# KiCad board rps01.kicad_pcb (continued)
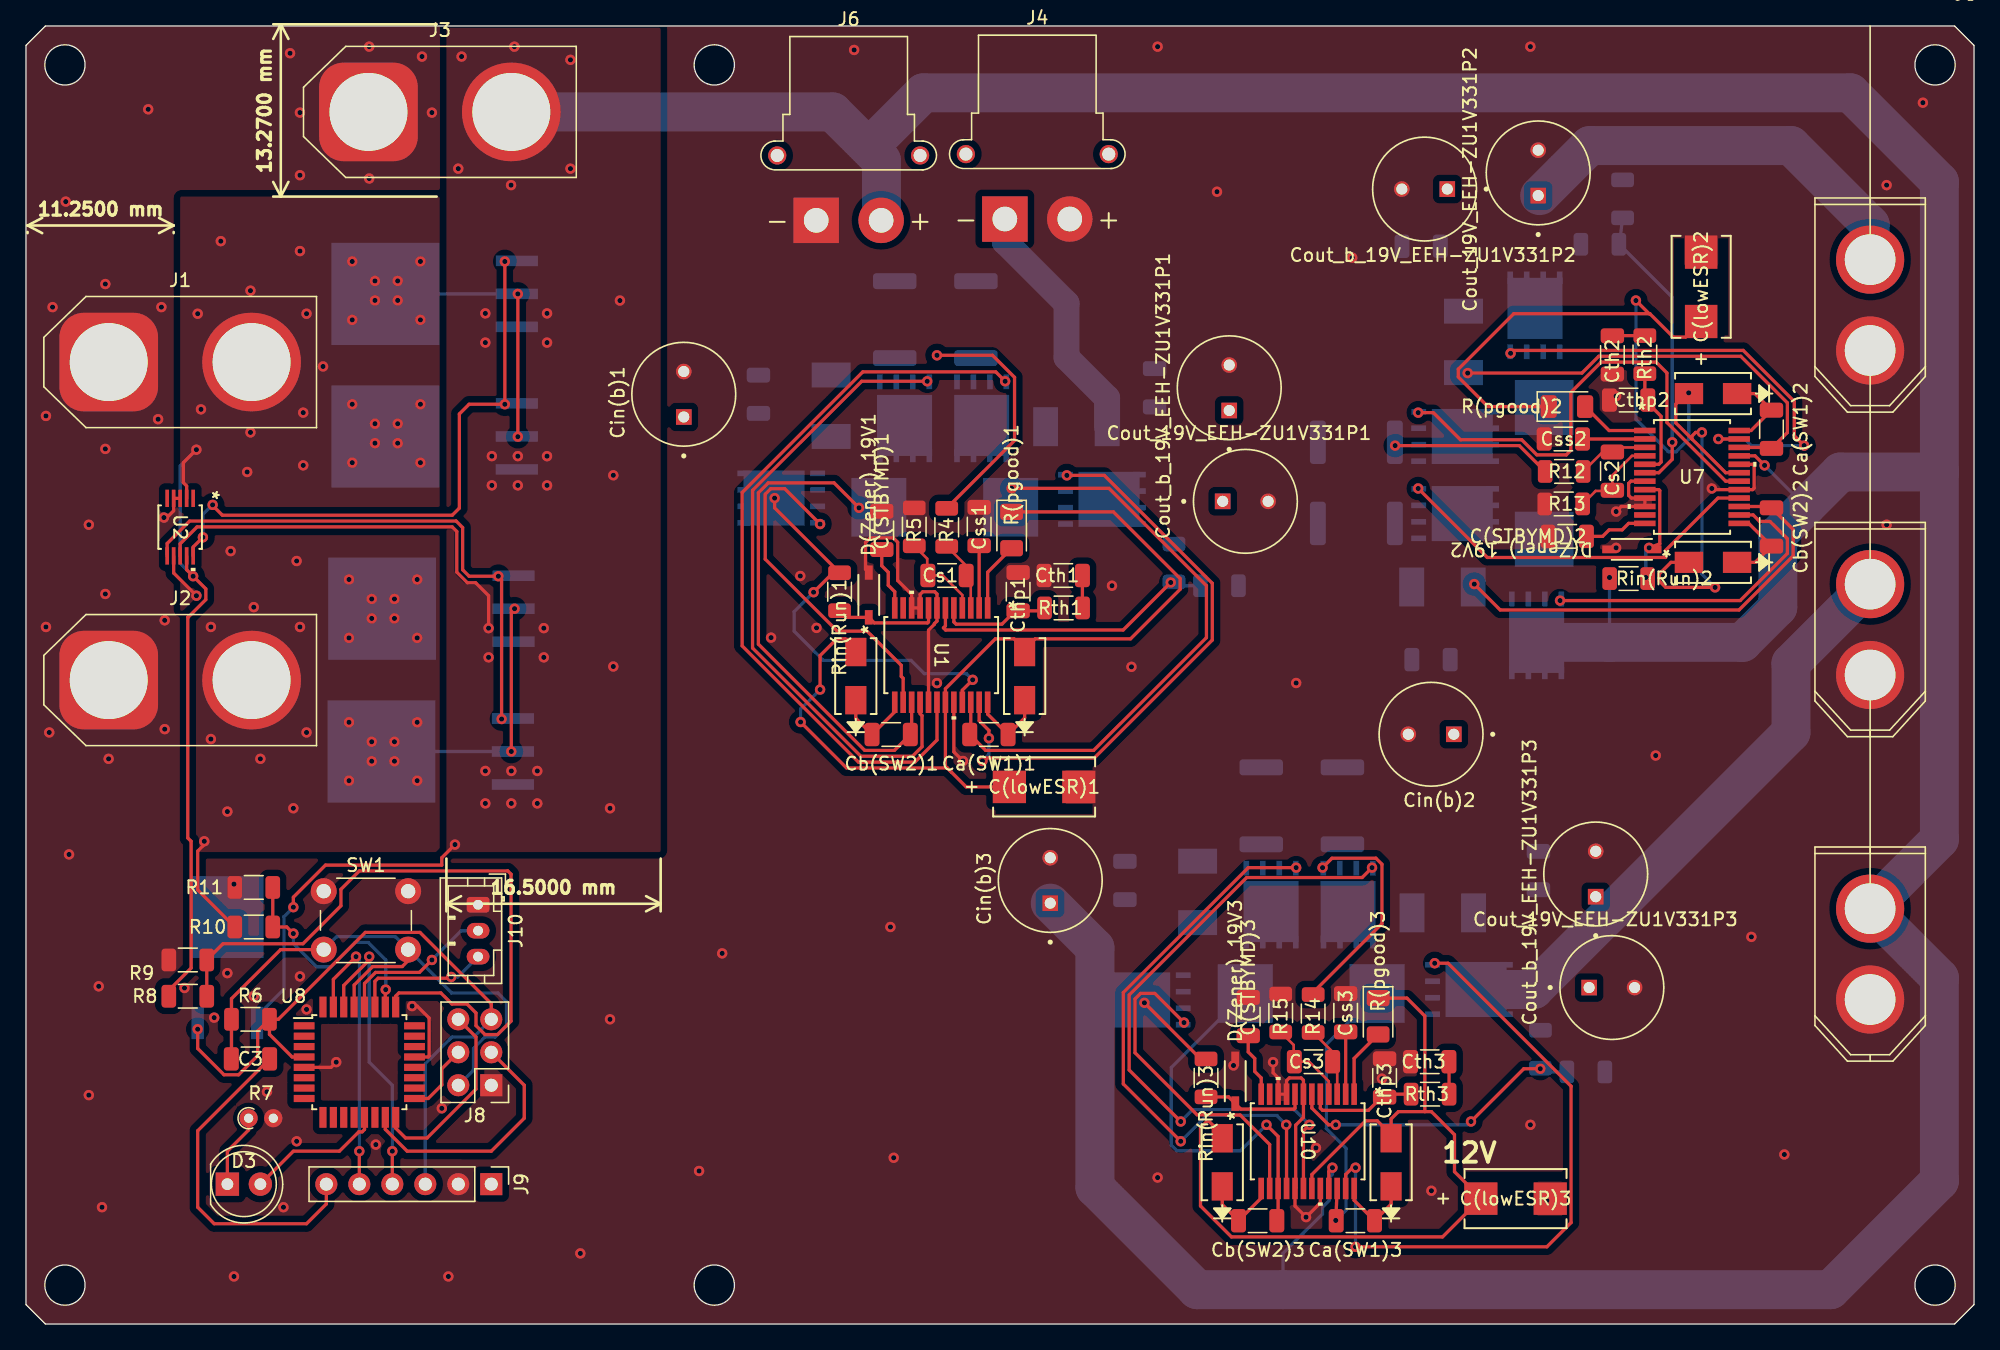
[diagram p0: board, top side]
## Nets
+5V: J8.5 J9.3 R6.2 U8.4 U9.2
/Load Sharing/V1: J1.2 R8.1 U2.2 U2.9 U3.2 U3.4 U6.2 U6.4
/Load Sharing/V2: J2.2 R10.1 U2.7 U4.2 U4.4 U5.2 U5.4
GND: C(lowESR)1.2 C(lowESR)2.2 C(lowESR)3.2 C(STBYMD)1.2 C(STBYMD)2.2 C(STBYMD)3.2 Cc(out)1.2 Cc(out)2.2 Cc(out)3.2 Cin(b)1.2 Cin(b)2.2 Cin(b)3.2 Cin(c)1.2 Cin(c)2.2 Cin(c)3.2 Cout_19V_EEH-ZU1V331P1.2 Cout_19V_EEH-ZU1V331P2.2 Cout_19V_EEH-ZU1V331P3.2 Cout_b_19V_EEH-ZU1V331P1.2 Cout_b_19V_EEH-ZU1V331P2.2 Cout_b_19V_EEH-ZU1V331P3.2 Css1.1 Css2.1 Css3.1 Cth1.2 Cth2.2 Cth3.2 Cthp1.2 Cthp2.2 Cthp3.2 D(Zener)_19V1.2 D(Zener)_19V2.2 D(Zener)_19V3.2 J1.1 J2.1 J3.1 J4.2 J5.1 J5.3 J5.5 J6.1 J8.1 J9.2 J10.1 R5.2 R7.2 R9.2 R11.2 R13.2 R15.2 Rb1.2 Rb2.2 Rb3.2 Rs1.2 Rs2.2 Rs3.2 Rsen1.2 Rsen2.2 Rsen3.2 SW1.1 U1.7 U1.9 U1.10 U1.17 U1.20 U2.3 U2.4 U7.7 U7.9 U7.10 U7.17 U7.20 U8.5 U8.21 U9.3 U10.7 U10.9 U10.10 U10.17 U10.20
+BATT: Cin(b)1.1 Cin(b)2.1 Cin(b)3.1 Cin(c)1.1 Cin(c)2.1 Cin(c)3.1 J3.2 J5.6 J6.2 QA(1)_19V_2.5 QA(1)_19V_2.6 QA(1)_19V_2.7 QA(1)_19V_2.8 QA(1)_19V_3.5 QA(1)_19V_3.6 QA(1)_19V_3.7 QA(1)_19V_3.8 QA(1)_19V_4.5 QA(1)_19V_4.6 QA(1)_19V_4.7 QA(1)_19V_4.8 Rin(Run)1.1 Rin(Run)2.1 Rin(Run)3.1 U1.21 U2.8 U3.3 U4.3 U5.3 U6.3 U7.21 U9.1 U10.21
/5V Buck/BG1: QC(4)_19V_2.4 U7.18
/5V Buck/BG2: QB(2)_19V_2.4 U7.16
/5V Buck/BOOST1: Ca(SW1)2.1 D4_19V2.1 U7.24
/5V Buck/BOOST2: Cb(SW2)2.2 D5_19V2.1 U7.13
/5V Buck/INTVCC: C(lowESR)2.1 D4_19V2.2 D5_19V2.2 R(pgood)2.1 U7.19
/5V Buck/ITH: Cthp2.1 Rth2.2 U7.5
/5V Buck/PGOOD: R(pgood)2.2 U7.1
/5V Buck/PLLIN: U7.11
/5V Buck/RSENSE: D1(2)_19V2.2 QB(2)_19V_2.1 QB(2)_19V_2.2 QB(2)_19V_2.3 QC(4)_19V_2.1 QC(4)_19V_2.2 QC(4)_19V_2.3 R12.1 Rs2.1 Rsen2.1
/5V Buck/RUN: D(Zener)_19V2.1 Rin(Run)2.2 U7.8
/5V Buck/SENSE+: Cs2.2 R12.2 U7.3
/5V Buck/SENSE-: Cs2.1 R13.1 U7.4
/5V Buck/SS: Css2.2 U7.2
/5V Buck/STBYMD: C(STBYMD)2.1 U7.12
/5V Buck/SW1: Ca(SW1)2.2 D2(1)_19V2.2 L1_19V2.2 QC(4)_19V_2.5 QC(4)_19V_2.6 QC(4)_19V_2.7 QC(4)_19V_2.8 QD(3)_19V_4.1 QD(3)_19V_4.2 QD(3)_19V_4.3 U7.22
/5V Buck/SW2: Cb(SW2)2.1 D1(2)_19V2.1 L1_19V2.1 QA(1)_19V_3.1 QA(1)_19V_3.2 QA(1)_19V_3.3 QB(2)_19V_2.5 QB(2)_19V_2.6 QB(2)_19V_2.7 QB(2)_19V_2.8 U7.15
/5V Buck/TG1: QD(3)_19V_4.4 U7.23
/5V Buck/TG2: QA(1)_19V_3.4 U7.14
/5V Buck/VOSENSE: Rb2.1 Rt2.2 U7.6
/5V Buck/VOUT: Cc(out)2.1 Cout_19V_EEH-ZU1V331P2.1 Cout_b_19V_EEH-ZU1V331P2.1 D2(1)_19V2.1 J5.2 QD(3)_19V_4.5 QD(3)_19V_4.6 QD(3)_19V_4.7 QD(3)_19V_4.8 Rt2.1
/12V Buck Boost/BG1: QC(4)_19V_3.4 U10.18
/12V Buck Boost/BG2: QB(2)_19V_3.4 U10.16
/12V Buck Boost/BOOST1: Ca(SW1)3.1 D4_19V3.1 U10.24
/12V Buck Boost/BOOST2: Cb(SW2)3.2 D5_19V3.1 U10.13
/12V Buck Boost/INTVCC: C(lowESR)3.1 D4_19V3.2 D5_19V3.2 R(pgood)3.1 U10.19
/12V Buck Boost/ITH: Cthp3.1 Rth3.2 U10.5
/12V Buck Boost/PGOOD: R(pgood)3.2 U10.1
/12V Buck Boost/PLLIN: U10.11
/12V Buck Boost/RSENSE: D1(2)_19V3.2 QB(2)_19V_3.1 QB(2)_19V_3.2 QB(2)_19V_3.3 QC(4)_19V_3.1 QC(4)_19V_3.2 QC(4)_19V_3.3 R14.1 Rs3.1 Rsen3.1
/12V Buck Boost/RUN: D(Zener)_19V3.1 Rin(Run)3.2 U10.8
/12V Buck Boost/SENSE+: Cs3.2 R14.2 U10.3
/12V Buck Boost/SENSE-: Cs3.1 R15.1 U10.4
/12V Buck Boost/SS: Css3.2 U10.2
/12V Buck Boost/STBYMD: C(STBYMD)3.1 U10.12
/12V Buck Boost/SW1: Ca(SW1)3.2 D2(1)_19V3.2 L1_19V3.2 QC(4)_19V_3.5 QC(4)_19V_3.6 QC(4)_19V_3.7 QC(4)_19V_3.8 QD(3)_19V_5.1 QD(3)_19V_5.2 QD(3)_19V_5.3 U10.22
/12V Buck Boost/SW2: Cb(SW2)3.1 D1(2)_19V3.1 L1_19V3.1 QA(1)_19V_4.1 QA(1)_19V_4.2 QA(1)_19V_4.3 QB(2)_19V_3.5 QB(2)_19V_3.6 QB(2)_19V_3.7 QB(2)_19V_3.8 U10.15
/12V Buck Boost/TG1: QD(3)_19V_5.4 U10.23
/12V Buck Boost/TG2: QA(1)_19V_4.4 U10.14
/12V Buck Boost/VOSENSE: Rb3.1 Rt3.2 U10.6
/12V Buck Boost/VOUT: Cc(out)3.1 Cout_19V_EEH-ZU1V331P3.1 Cout_b_19V_EEH-ZU1V331P3.1 D2(1)_19V3.1 J5.4 QD(3)_19V_5.5 QD(3)_19V_5.6 QD(3)_19V_5.7 QD(3)_19V_5.8 Rt3.1
/19V Boost/BG1: QC(4)_19V_1.4 U1.18
/19V Boost/BG2: QB(2)_19V_1.4 U1.16
/19V Boost/BOOST1: Ca(SW1)1.1 D4_19V1.1 U1.24
/19V Boost/BOOST2: Cb(SW2)1.2 D5_19V1.1 U1.13
/19V Boost/INTVCC: C(lowESR)1.1 D4_19V1.2 D5_19V1.2 R(pgood)1.1 U1.19
/19V Boost/ITH: Cthp1.1 Rth1.2 U1.5
/19V Boost/PGOOD: R(pgood)1.2 U1.1
/19V Boost/Rsense: D1(2)_19V1.2 QB(2)_19V_1.1 QB(2)_19V_1.2 QB(2)_19V_1.3 QC(4)_19V_1.1 QC(4)_19V_1.2 QC(4)_19V_1.3 R4.1 Rs1.1 Rsen1.1
/19V Boost/Run: D(Zener)_19V1.1 Rin(Run)1.2 U1.8
/19V Boost/SENSE+: Cs1.2 R4.2 U1.3
/19V Boost/SENSE-: Cs1.1 R5.1 U1.4
/19V Boost/SS: Css1.2 U1.2
/19V Boost/STBYMD: C(STBYMD)1.1 U1.12
/19V Boost/SW1: Ca(SW1)1.2 D2(1)_19V1.2 L1_19V1.2 QC(4)_19V_1.5 QC(4)_19V_1.6 QC(4)_19V_1.7 QC(4)_19V_1.8 QD(3)_19V_3.1 QD(3)_19V_3.2 QD(3)_19V_3.3 U1.22
/19V Boost/SW2: Cb(SW2)1.1 D1(2)_19V1.1 L1_19V1.1 QA(1)_19V_2.1 QA(1)_19V_2.2 QA(1)_19V_2.3 QB(2)_19V_1.5 QB(2)_19V_1.6 QB(2)_19V_1.7 QB(2)_19V_1.8 U1.15
/19V Boost/TG1: QD(3)_19V_3.4 U1.23
/19V Boost/TG2: QA(1)_19V_2.4 U1.14
/19V Boost/VOSENSE: Rb1.1 Rt1.2 U1.6
/19V Boost/Vout: Cc(out)1.1 Cout_19V_EEH-ZU1V331P1.1 Cout_b_19V_EEH-ZU1V331P1.1 D2(1)_19V1.1 J4.1 QD(3)_19V_3.5 QD(3)_19V_3.6 QD(3)_19V_3.7 QD(3)_19V_3.8 Rt1.1
/Load Sharing/G1: U2.10 U3.1 U6.1
/Load Sharing/G2: U2.6 U4.1 U5.1
/Microcontroller/DTR: C3.2 J9.6
/Microcontroller/MISO: J8.6 U8.16
/Microcontroller/MOSI: J8.3 U8.15
/Microcontroller/RESET: C3.1 J8.2 R6.1 SW1.2 U8.29
/Microcontroller/RX: J9.4 U8.30
/Microcontroller/SCK: J8.4 U8.17
/Microcontroller/SCL: J10.3 U8.27
/Microcontroller/SDA: J10.2 U8.28
/Microcontroller/TX: J9.5 U8.31
/Microcontroller/Voltmeter_1: R8.2 R9.1 U8.25
/Microcontroller/Voltmeter_2: R10.2 R11.1 U8.26
Net-(Cth1-Pad1): Cth1.1 Rth1.1
Net-(Cth2-Pad1): Cth2.1 Rth2.1
Net-(Cth3-Pad1): Cth3.1 Rth3.1
Net-(D3-A): D3.2 U8.13
Net-(D3-K): D3.1 R7.1

Pads without a net: J9 1; U1 11; U2 1 5; U8 1 2 3 6 7 8 9 10 11 12 14 18 19 20 22 23 24 32

## Via types
v1: diameter 0.8, hole 0.4, Top to Bottom, 240 vias

## Routing (per net, layer and track width the routed paths; a pad name or vN(x,y) marks a point on that pad's centre or on a via; arc(x,y) is an arc through that point)
+5V: length 54.4
  Top w0.25: J8.5 35.83,24.68 30.34,30.17 26.13,30.17 19.43,23.48 R6.2 ; R6.2 18.75,22.32 20.49,20.57 U8.4 ; R6.2 17.84,22.57 17.84,20.67 16.37,19.2 15.25,19.2 13.22,21.23 v1(13.22,22.71)
  Bottom w0.25: J9.3 30.75,20.06 32.8,22.11 34.46,22.11 J8.5
/Load Sharing/V1: length 71.6
  Top w0.25: U2.9 12.37,58.11 v1(12.87,57.61) 13.85,56.63 13.85,55.81 12.5,54.46 12.46,54.46 12.46,37.45 12.71,37.19 12.71,27.42 11,25.71 ; v1(13.12,67.36) 12.12,66.36 12.12,64.81 12.37,64.56 U2.2 ; v1(37.87,79.36) v1(37.87,68.36)
  Bottom w0.25: v1(13.12,67.36) 11.87,66.11 11.87,58.61 v1(12.87,57.61) ; v1(37.87,79.36) U3.4
  vias: v1(13.22,77.83) v1(13.48,70.47) v1(15,83.42) v1(17.03,65.64) v1(17.29,79.61) v1(17.29,68.69) v1(21.1,82.66) v1(21.35,70.21) v1(21.35,66.15) v1(21.6,77.83) v1(22.87,73.77) v1(25.12,81.86) v1(25.12,77.36) v1(25.12,70.86) v1(25.12,66.36) v1(26.87,80.36) v1(26.87,78.86) v1(26.87,69.36) v1(26.87,67.86) v1(28.62,80.36) v1(28.62,78.86) v1(28.62,69.36) v1(28.62,67.86) v1(30.37,81.86) v1(30.37,77.36) v1(30.37,70.86) v1(30.37,66.36)
/Load Sharing/V2: length 32.9
  Top w0.25: v1(13.73,37.19) 13.73,36.94 13.22,36.43 13.22,33.44 R10.1 ; v1(37.37,44.11) 37.37,54.86 v1(37.62,55.11) ; U2.7 11.37,57.86 v1(13.12,56.11)
  Bottom w0.25: v1(37.37,44.11) U5.4
  vias: v1(14.24,53.7) v1(14.24,45.07) v1(15.51,39.48) v1(15.76,59.54) v1(17.54,55.23) v1(18.05,43.54) v1(20.59,39.73) v1(20.84,58.78) v1(21.1,53.7) v1(21.6,45.57) v1(24.87,57.36) v1(24.87,52.86) v1(24.87,46.36) v1(24.87,41.86) v1(26.62,55.86) v1(26.62,54.36) v1(26.62,44.86) v1(26.62,43.36) v1(28.37,55.86) v1(28.37,54.36) v1(28.37,44.86) v1(28.37,43.36) v1(30.12,57.36) v1(30.12,52.86) v1(30.12,46.36) v1(30.12,41.86)
GND: length 70.6
  Top w0.25: U7.20 132.99,66.23 133.07,66.16 133.07,64.39 132.96,64.28 U7.17 129.9,64.28 v1(129.81,64.37) ; U10.20 99.67,9.34 v1(98.57,8.24) 97.71,9.09 U10.17 97.77,10.5 97.77,15.32 98.37,15.92 U10.7 98.37,18.78 98.19,18.96 97.27,18.96 97.06,18.75 U10.9 U10.10 96.41,18.97 96.03,19.36 v1(96.03,20.17) ; U1.17 69.5,53.45 69.95,53.9 69.95,53.95 70.15,54.15 U1.7 70.15,56.24 69.97,56.42 69.06,56.42 68.85,56.21 U1.9 U1.10 68.2,56.21 67.12,57.28 67.12,60.23 66.78,60.57 65.01,60.57 64.65,60.2 64.65,58.14 D(Zener)_19V1.2 ; v1(10.62,62.13) 10.85,62.13 11.37,62.65 U2.4 U2.3 ; v1(29.73,24.49) 30.12,24.49 31.04,23.57 31.04,20.65 30.97,20.57 U8.21 ; v1(122.44,62.59) 122.83,62.98 124.65,62.98 124.65,63.63 123.61,63.63 123.4,63.84 123.4,64.76 123.58,64.93 124.65,64.93 ; U1.20 71.45,44.08 v1(72.15,43.38) ; U8.5 23.49,19.77 v1(23.89,20.17)
  vias: v1(1.54,69.96) v1(1.54,53.7) v1(1.79,45.57) v1(2.05,78.34) v1(3.06,86.47) v1(3.32,36.18) v1(4.84,61.58) v1(4.84,17.63) v1(5.6,26.02) v1(5.86,9) v1(6.11,80.12) v1(6.11,67.42) v1(6.11,56.24) v1(6.36,43.54) v1(9.41,93.58) v1(10.17,69.7) v1(10.43,78.34) v1(10.68,54.21) v1(10.68,45.83) v1(12.21,25.89) v1(14.49,23.6) v1(15.51,27.03) v1(16.02,33.89) v1(16.02,3.66) v1(17.54,25.25) v1(18.56,17.89) v1(19.83,9) v1(20.33,97.9) v1(20.84,14.08) v1(21.1,93.33) v1(21.1,88.5) v1(21.1,26.78) v1(21.6,24.24) v1(26.43,98.41) v1(26.43,88.25) v1(26.94,13.82) v1(30.49,97.64) v1(31.26,93.33) v1(32.02,16.62) v1(32.53,3.66) v1(42.69,5.44) v1(44.97,23.48) v1(51.83,11.79) v1(53.61,28.56) v1(57.37,52.88) v1(59.62,57.63) v1(60.87,53.63) v1(63.77,98.15) v1(66.56,30.59) v1(66.82,12.81) v1(70.15,49.38) v1(83.62,56.88) v1(85.12,50.63) v1(87.14,98.41) v1(87.14,11.28) v1(91.71,87.23) v1(92.98,19.92) v1(97.8,49.38) v1(99.33,13.57) v1(102.12,82.15) v1(104.41,18.9) v1(108.22,10.27) v1(115.84,98.41) v1(115.84,15.35) v1(117.11,9.51) v1(122.44,71.48) v1(122.44,59.8) v1(125.49,43.8) v1(132.86,29.83) v1(135.4,13.06) v1(143.27,87.74) v1(143.27,61.58) v1(146.06,94.09)
+BATT: length 461.7
  Top w0.25: v1(57.65,63.63) 57.65,62.88 Rin(Run)1.1 ; v1(72.9,49.63) 72.1,48.83 U1.21 ; v1(60.65,56.38) 62.15,57.88 ; U7.21 133.14,66.88 v1(133.87,66.15) ; U2.8 11.87,60.11 13.17,61.41 32.82,61.41 33.17,61.06 33.17,57.92 33.99,57.11 34.62,57.11 35.62,56.11 v1(35.62,53.61) ; v1(100.6,12.05) 100.32,11.76 U10.21 ; v1(33.03,36.94) 32.02,35.92 32.02,35.36 23.06,35.36 20.59,32.88 v1(20.59,32.11) ; 90.44,20.42 v1(86.12,24.75)
  Bottom w0.25: v1(72.9,49.63) 72.42,50.1 69.17,50.1 68.15,51.13 61.4,51.13 59.15,53.38 59.15,54.88 v1(60.65,56.38) ; v1(133.87,66.15) 137.05,62.97 ; v1(121.93,57.51) 121.93,52.51 ; J6.2 65.85,91.6 ; v1(20.59,32.11) 19.86,31.39 19.86,25.8 17.54,23.48 ; v1(100.6,12.05) 100.6,11.54 100.34,11.28 100.34,9.51 99.84,9 99.84,8.48 98.32,6.97 98.31,6.97 96.79,5.44 96.79,2.65 ; 40.35,64.38 v1(40.12,64.61)
  Bottom w3: 147.33,65.64 139.71,65.64 134.89,60.81 134.89,55.23 132.17,52.51 QA(1)_19V_3.8 ; 147.33,65.64 147.33,87.99 140.48,94.85 69.1,94.85 65.85,91.6 ; 147.33,65.64 147.33,37.33 J5.6 147.33,26.67 147.33,11.03 138.95,2.65 90.18,2.65 82.31,10.52 82.31,28.98 Cin(b)3.1 ; 65.87,85.13 65.87,89.63 62.12,93.38 J3.2
  vias: v1(33.29,89.01) v1(33.54,97.64) v1(35.37,77.86) v1(35.37,75.61) v1(35.37,42.61) v1(35.37,40.11) v1(35.62,51.36) v1(35.87,66.86) v1(35.87,64.61) v1(37.35,87.74) v1(37.37,42.61) v1(37.37,40.11) v1(37.61,98.41) v1(37.87,66.86) v1(37.87,64.61) v1(39.37,42.61) v1(39.37,40.11) v1(39.87,53.61) v1(39.87,51.36) v1(40.12,77.86) v1(40.12,75.61) v1(40.12,66.86) v1(41.92,97.39) v1(41.92,89.01) v1(44.97,39.73) v1(45.23,65.39) v1(45.23,50.65) v1(45.73,78.85)
/5V Buck/BG1: length 37.7
  Top w0.25: v1(107.2,70.21) 108.36,70.21 110.45,68.12 115.17,68.12 116.34,66.95 118.6,66.95 118.95,67.3 118.95,71.77 121.29,74.1 125.52,74.1 126.35,73.27 126.35,69.45 130.88,64.93 U7.18
/5V Buck/BG2: length 29.1
  Top w0.25: U7.16 130.28,63.63 126.26,59.61 126.26,59.05 112.52,59.05 v1(107.2,64.37)
/5V Buck/BOOST1: length 6.3
  Top w0.25: D4_19V2.1 133.13,71.68 Ca(SW1)2.1 132.83,68.83 U7.24
/5V Buck/BOOST2: length 6.4
  Top w0.25: D5_19V2.1 133.15,58.68 Cb(SW2)2.2 132.65,61.68 U7.13
/5V Buck/INTVCC: length 80.2
  Top w0.25: v1(123.97,78.85) 124.98,77.83 125.04,77.83 ; C(lowESR)2.1 127.79,76.03 126.84,76.03 125.04,77.83 ; 127.85,71.68 127.03,70.87 127.03,69.42 128.28,68.18 ; 125.04,77.83 114.56,77.83 110.29,73.56 110.29,72.96 112.57,70.68 R(pgood)2.1 ; U7.19 130.88,65.58 128.28,68.18 ; 128.28,68.18 128.28,68.4 128.57,68.69 v1(129.05,68.69) ; D5_19V2.2 126.67,58.68 125.75,57.77 125.75,57.26 126.26,56.75 v1(130.06,56.75)
  Bottom w0.25: v1(129.05,68.69) 129.05,57.77 v1(130.06,56.75) ; v1(128.03,71.74) 128.03,68.17 127.06,67.2 126.46,67.2 123.97,69.69 v1(123.97,78.85)
/5V Buck/ITH: length 8.1
  Top w0.25: Rth2.2 124.65,71.4 ; 124.65,66.23 125.73,66.23 125.9,66.41 125.9,69.93 124.88,70.95
/5V Buck/PGOOD: length 5.4
  Top w0.25: 124.65,68.83 121.9,68.83 R(pgood)2.2
/5V Buck/RSENSE: length 12.4
  Top w0.25: v1(105.42,67.67) 114.99,67.67 R12.1
/5V Buck/RUN: length 8.6
  Top w0.25: v1(124.98,59.8) 125.8,60.11 125.8,64.21 125.73,64.28 124.65,64.28
  Bottom w0.25: v1(124.73,57.51) 124.73,59.54 v1(124.98,59.8)
/5V Buck/SENSE+: length 4.3
  Top w0.2: R12.2 121.4,67.18 ; 124.65,67.53 122.51,67.53
/5V Buck/SENSE-: length 6.9
  Top w0.2: Cs2.1 122.15,65.37 123.66,66.88 124.65,66.88 ; R13.1 120.87,64.18 122.1,64.18
/5V Buck/SS: length 4.8
  Top w0.25: 124.65,68.18 119.86,68.18
/5V Buck/STBYMD: length 4.9
  Top w0.25: C(STBYMD)2.1 121.4,60.68 121.9,61.18 122.9,61.18 123.4,61.68 124.65,61.68
/5V Buck/SW1: length 33.1
  Top w0.25: U7.22 134.33,67.53 ; Ca(SW1)2.2 135.63,68.68 135.63,70.97 132.04,74.55 121.1,74.55 119.81,73.26 v1(111.01,73.26)
/5V Buck/SW2: length 33.9
  Top w0.25: v1(111.52,57) 113.52,55.01 131.91,55.01 136.08,59.18 136.08,61.2 Cb(SW2)2.1 ; 134.3,62.98 U7.15
/5V Buck/TG1: length 35.7
  Top w0.25: v1(130.32,68.18) 131.92,68.18 ; v1(136.92,67.67) 136.16,68.43 136.16,71.07 132.23,75 114.54,75 v1(114.31,74.78)
  Bottom w0.25: v1(130.32,68.18) 132.35,68.18 132.86,67.67 v1(136.92,67.67)
/5V Buck/TG2: length 24.6
  Top w0.25: v1(118.12,55.73) 132,55.73 135.63,59.37 135.63,60.49 134.29,61.83 133.49,61.83 132.99,62.33 U7.14
/5V Buck/VOSENSE: length 22.8
  Top w0.25: 124.65,65.58 125.73,65.58 126.76,66.61 v1(126.76,67.93)
  Bottom w0.25: Rb2.1 122.7,83.17 126.76,79.1 v1(126.76,67.93)
/5V Buck/VOUT: length 32.3
  Bottom w3: J5.2 142,84.69 135.9,90.79 120.41,90.79 116.55,86.93
/12V Buck Boost/BG1: length 50
  Top w0.25: v1(98.82,15.35) 98.37,14.89 U10.18 ; v1(103.65,35.16) 102.88,34.4 93.99,34.4 84.94,25.35 84.94,19.57 v1(88.91,15.6)
  Bottom w0.25: v1(98.82,15.35) 97.64,16.52 89.83,16.52 v1(88.91,15.6)
/12V Buck Boost/BG2: length 44.8
  Top w0.25: v1(88.91,14.08) 84.5,18.5 84.5,25.54 94.12,35.16 v1(97.8,35.16) ; v1(97.04,15.35) 97.06,15.33 U10.16
  Bottom w0.25: v1(97.04,15.35) 96.32,16.07 90.91,16.07 v1(88.91,14.08)
/12V Buck Boost/BOOST1: length 6.3
  Top w0.25: U10.24 102.27,9.53 Ca(SW1)3.1 105.11,9.23 D4_19V3.1
/12V Buck Boost/BOOST2: length 6.4
  Top w0.25: U10.13 95.11,9.71 Cb(SW2)3.2 92.11,9.21 D5_19V3.1
/12V Buck Boost/INTVCC: length 66.1
  Top w0.25: U10.19 99.02,11.52 103.15,15.66 104.05,15.66 105.11,14.59 ; R(pgood)3.1 106.33,25.11 107.71,23.73 107.71,16.36 ; 112.07,9.66 110,11.74 110,14.59 108.22,16.36 107.71,16.36 ; 107.71,16.36 105.68,16.36 105.11,15.8 D4_19V3.2 ; C(lowESR)3.1 109.08,6.71 92.82,6.71 90.44,9.1 90.44,15.11 90.98,15.66 91.05,15.66 92.11,14.59
/12V Buck Boost/ITH: length 8.1
  Top w0.25: Rth3.2 104.84,17.71 ; U10.5 99.67,16.63 99.84,16.46 103.36,16.46 104.39,17.48
/12V Buck Boost/PGOOD: length 5.4
  Top w0.25: U10.1 102.27,20.46 R(pgood)3.2
/12V Buck Boost/RSENSE: length 16.8
  Top w0.25: 99.33,25.76 104.41,30.84 104.41,35.42 103.95,35.88 100.56,35.88 v1(99.84,35.16)
/12V Buck Boost/RUN: length 8.3
  Top w0.25: Rin(Run)3.2 92.6,17.5 D(Zener)_19V3.1 93.54,16.56 97.64,16.56 97.71,16.63 U10.8
/12V Buck Boost/SENSE+: length 4.3
  Top w0.2: R14.2 100.61,20.96 ; U10.3 100.97,19.86
/12V Buck Boost/SENSE-: length 6.9
  Top w0.2: 97.61,20.26 97.61,21.5 R15.1 ; Cs3.1 98.81,20.21 100.32,18.7 U10.4
/12V Buck Boost/SS: length 4.8
  Top w0.25: U10.2 101.62,22.51
/12V Buck Boost/STBYMD: length 4.9
  Top w0.25: C(STBYMD)3.1 94.11,20.96 94.61,20.46 94.61,19.46 95.11,18.96 U10.12
/12V Buck Boost/SW1: length 22.5
  Top w0.25: U10.22 v1(100.85,7.98)
  Bottom w0.25: v1(100.85,7.98) 101.65,8.78 101.65,13.52 100.13,15.05 100.13,21.55 L1_19V3.2
/12V Buck Boost/SW2: length 30
  Top w0.25: 96.41,8.06 U10.15 96.41,14.45 v1(95.52,15.35)
  Bottom w0.25: v1(95.52,15.35) 93.52,13.35 88.61,13.35 88.19,13.78 88.19,19.76 L1_19V3.1
/12V Buck Boost/TG1: length 50.4
  Top w0.25: v1(108.47,27.79) 109.5,27.79 118.97,18.32 118.97,7.82 117.11,5.95 v1(102.38,5.95) ; v1(102.38,12.05) 102.14,12.05 101.62,11.52 U10.23
  Bottom w0.25: v1(102.38,5.95) v1(102.38,12.05)
/12V Buck Boost/TG2: length 25.7
  Top w0.25: U10.14 95.76,13.83 93.49,16.1 92.49,16.1 92.47,16.12 90.17,16.12 85.39,20.9 85.39,25.05 85.82,25.47 86.92,25.47 v1(89.17,23.22)
/12V Buck Boost/VOSENSE: length 22.7
  Top w0.25: v1(100.85,15.35) 100.3,15.35 99.02,16.63 U10.6 ; v1(111.27,15.6) 115.33,19.67 v1(116.6,19.67)
  Bottom w0.25: v1(111.27,15.6) 111.01,15.35 v1(100.85,15.35) ; Rb3.1 116.9,19.42
/12V Buck Boost/VOUT: length 46.4
  Bottom w3: QD(3)_19V_5.8 116.1,25.77 135.9,45.57 135.9,50.9 J5.4
/19V Boost/BG1: length 58.5
  Top w0.25: U1.18 70.15,44.99 68.44,43.29 64.1,43.29 55.15,52.24 55.15,64.06 64.44,73.35 74.67,73.35 v1(75.4,72.63)
/19V Boost/BG2: length 49.4
  Top w0.25: v1(69.4,72.63) 64.35,72.63 55.95,64.23 55.95,52.08 64.28,43.74 68.26,43.74 69,44.48 69,46.87 68.85,47.02 U1.16
/19V Boost/BOOST1: length 6.3
  Top w0.25: U1.24 74.05,46.99 Ca(SW1)1.1 76.9,46.69 D4_19V1.1
/19V Boost/BOOST2: length 6.4
  Top w0.25: U1.13 66.9,47.17 Cb(SW2)1.2 63.9,46.67 D5_19V1.1
/19V Boost/INTVCC: length 72
  Top w0.25: 63.9,51.97 63.08,52.78 62.43,52.78 61.15,51.5 v1(61.15,48.88) ; R(pgood)1.1 83.73,62.57 88.87,57.43 88.87,56.6 85.05,52.78 77.71,52.78 76.9,51.97 76.08,52.78 74.64,52.78 70.8,48.94 U1.19 70.8,42.98 71.27,42.5 ; C(lowESR)1.1 72.4,41.38 71.27,42.5 ; 71.27,42.5 70.93,42.84 63.18,42.84 v1(59.65,46.38)
  Bottom w0.25: v1(59.65,46.38) 59.65,47.38 v1(61.15,48.88)
/19V Boost/ITH: length 8.1
  Top w0.25: 76.17,54.94 75.15,53.92 71.62,53.92 71.45,54.09 U1.5 ; Cthp1.1 78.21,54.94
/19V Boost/PGOOD: length 5.4
  Top w0.25: R(pgood)1.2 74.05,57.92 U1.1
/19V Boost/Rsense: length 18.9
  Top w0.25: R4.1 76.12,68.07 76.12,72.93 74.42,74.63 v1(70.15,74.63)
/19V Boost/Run: length 8.3
  Top w0.25: 62.65,54.95 63.16,54.44 D(Zener)_19V1.1 65.32,54.01 69.42,54.01 69.5,54.09 U1.8
/19V Boost/SENSE+: length 4.3
  Top w0.2: R4.2 72.4,58.42 ; U1.3 72.75,57.31
/19V Boost/SENSE-: length 6.9
  Top w0.2: U1.4 72.1,56.16 70.59,57.67 Cs1.1 ; 69.4,57.72 69.4,58.95 68.4,59.95
/19V Boost/SS: length 4.8
  Top w0.25: U1.2 73.4,59.96
/19V Boost/STBYMD: length 4.9
  Top w0.25: U1.12 66.9,56.42 66.4,56.92 66.4,57.92 65.9,58.42 C(STBYMD)1.1
/19V Boost/SW1: length 46.8
  Top w0.25: v1(75.9,64.38) 83.4,64.38 90.9,56.88 90.9,52.88 82.21,44.19 73.9,44.19 Ca(SW1)1.2 ; U1.22 72.75,45.49
/19V Boost/SW2: length 38.5
  Top w0.25: v1(64.15,62.88) 62.22,64.8 57.16,64.8 56.4,64.04 56.4,52.38 64.58,44.19 66.87,44.19 Cb(SW2)1.1 ; 68.2,45.52 U1.15
/19V Boost/TG1: length 45.6
  Top w0.25: v1(80.15,65.38) 83.03,65.38 91.35,57.06 91.35,52.69 82.26,43.6 73.87,43.6 v1(73.65,43.38) ; U1.23 73.4,46.48 74.15,45.73 v1(74.15,45.13)
  Bottom w0.25: v1(74.15,45.13) 74.15,43.88 v1(73.65,43.38)
/19V Boost/TG2: length 27.3
  Top w0.25: v1(61.15,61.63) 58.42,64.35 57.35,64.35 56.92,63.93 56.92,58.93 62.47,53.38 64.76,53.38 67.4,50.75 67.4,49.89 67.55,49.74 U1.14
/19V Boost/VOSENSE: length 22.4
  Top w0.25: U1.6 70.8,53.78 70.65,53.63 70.81,53.47 84.48,53.47 v1(88.15,57.13)
  Bottom w0.25: Rb1.1 88.68,56.88
/19V Boost/Vout: length 19.3
  Bottom w2: J4.1 75.37,83.38 80.12,78.63 80.12,74.46 83.25,71.34 D2(1)_19V1.1
/Load Sharing/G1: length 46.2
  Top w0.25: U2.10 12.87,59.86 v1(13.62,60.61) ; v1(36.87,81.86) v1(36.87,70.86) 34.12,70.86 33.37,70.11 33.37,62.86 32.82,62.31 15.12,62.31 14.37,63.06 v1(14.37,63.11)
  Bottom w0.25: v1(14.37,63.11) 13.62,62.36 v1(13.62,60.61)
/Load Sharing/G2: length 41.9
  Top w0.25: U2.6 10.87,60.13 12.6,61.86 33.12,61.86 33.62,61.36 33.62,58.11 34.12,57.61 v1(36.37,57.61) 36.62,57.36 v1(36.62,46.61)
/Microcontroller/DTR: length 26.3
  Top w0.25: C3.2 13.22,14.89 13.22,9 14.49,7.73 21.6,7.73 23.13,9.25 J9.6
/Microcontroller/MISO: length 14.8
  Top w0.25: U8.16 28.47,15.09 29.22,14.33 30.89,14.33 34.65,18.1 34.65,22.11 J8.6
/Microcontroller/MOSI: length 19.5
  Top w0.25: J8.3 38.37,18.4 38.37,15.86 35.83,13.32 29.35,13.32 27.67,15 U8.15
/Microcontroller/RESET: length 44.2
  Top w0.25: SW1.2 19.61,28.85 15.82,25.06 R6.1 15.82,20.44 ; 29.43,28 28.97,27.54 26.7,27.54 25.27,26.11 25.27,25.19
  Bottom w0.25: J8.2 34.46,19.57 34.46,21.23 35.34,22.11 36.12,22.11 37,22.99 37,24.84 36.34,25.51 32.76,25.51 SW1.2 28.43,29.85 23.93,29.85 SW1.2
/Microcontroller/RX: length 22.2
  Top w0.25: v1(26.43,28.3) 26.43,28.05 24.47,26.09 24.47,25.19 ; J9.4 v1(28.21,13.32)
  Bottom w0.25: v1(28.21,13.32) 28.21,18.4 26.43,20.17 v1(26.43,28.3)
/Microcontroller/SCK: length 5.6
  Top w0.25: J8.4 32.02,19.67 32.02,18.42 30.97,17.37 U8.17
/Microcontroller/SCL: length 9.9
  Top w0.25: 26.87,25.19 26.87,26.4 27.11,26.64 32.64,26.64 v1(32.74,26.74)
  Bottom w0.25: J10.3 33.25,26.74 v1(32.74,26.74)
/Microcontroller/SDA: length 11.5
  Top w0.25: v1(31.26,28.05) 30.3,27.09 26.92,27.09 26.07,26.24 26.07,25.19
  Bottom w0.25: J10.2 33.51,30.3 v1(31.26,28.05)
/Microcontroller/TX: length 21.5
  Top w0.25: v1(25.41,28.3) 23.67,26.56 23.67,25.19 ; J9.5 v1(25.67,13.32)
  Bottom w0.25: v1(25.41,28.3) 25.67,28.05 v1(25.67,13.32)
/Microcontroller/Voltmeter_1: length 53.4
  Top w0.25: U8.25 28.47,25.26 28.72,25.51 31.94,25.51 32.8,24.65 33.96,24.65 34.65,23.96 34.65,22.99 35.34,22.3 36.31,22.3 37.35,23.34 37.35,34.65 37.1,34.91 25.67,34.91 24.25,33.49 24.25,32.22 21.33,29.3 15.17,29.3 R9.1 R8.2
/Microcontroller/Voltmeter_2: length 18.4
  Top w0.25: R11.1 R10.2 20.08,30.59 v1(20.59,30.08) ; 27.67,25.73 U8.26
  Bottom w0.25: v1(20.59,30.08) 20.59,29.31 22.38,27.52 23.47,27.52 25.35,29.4 26.36,29.4 27.7,28.06 v1(27.7,25.76)
Net-(Cth1-Pad1): length 2.5
  Top w0.25: Cth1.1 81.35,55.18
Net-(Cth2-Pad1): length 2.5
  Top w0.25: Rth2.1 122.17,76.14
Net-(Cth3-Pad1): length 2.5
  Top w0.25: Rth3.1 109.58,20.2
Net-(D3-A): length 10.7
  Top w0.25: D3.2 20.59,13.32 24.13,13.32 25.62,14.8 25.88,14.8 26.07,14.99 U8.13
Net-(D3-K): length 5.8
  Top w0.25: D3.1 15.51,13.32 17.14,14.95 R7.1

## Copper pours and planes (outline as drawn; the poured copper is in the pictures)
/Load Sharing/V1 on Top, Bottom: 11.87,86.86 32.12,86.86 32.12,61.86 11.87,61.86
/Load Sharing/V2 on Top, Bottom: 11.87,61.61 32.12,61.61 32.12,36.36 11.87,36.36
GND on Top, Bottom: 96.94,91.68 141.69,91.68 141.69,44.68 96.94,44.68
GND on Top, Bottom: 50.37,100.38 -0.63,100.38 -0.63,32.63 50.37,32.63
GND on Top, Bottom: 96.9,82.88 96.9,38.13 49.9,38.13 49.9,82.88
GND on Top, Bottom: 3.06,34.4 33.54,34.4 33.54,6.46 3.06,6.46
GND on Top, Bottom: 125.11,45.42 125.11,0.67 78.11,0.67 78.11,45.42
GND on Top, Bottom: 150.87,-0.62 150.87,100.88 -1.63,100.88 -1.63,-0.62
GND on Bottom: 49.75,58.13 94.25,58.13 94.25,82.88 49.75,82.88
+BATT on Top, Bottom: 32.37,99.86 32.37,36.36 48.87,36.36 48.87,99.86
+BATT on Bottom: 52.62,58.88 52.62,71.38 46.62,71.38 46.62,58.88
+BATT on Bottom: 120.94,54.78 120.94,44.03 108.44,44.03 108.44,54.78
+BATT on Bottom: 88.21,21.42 77.46,21.42 77.46,33.92 88.21,33.92
+BATT on Bottom: 60,58.88 49.25,58.88 49.25,71.38 60,71.38
/5V Buck/RSENSE on Bottom: 107.69,52.78 107.69,79.53 102.69,79.53 102.69,52.78
/5V Buck/SW1 on Bottom: 120.94,75.53 107.94,75.53 107.94,65.53 120.94,65.53
/5V Buck/SW2 on Bottom: 120.94,55.03 108.19,55.03 108.19,65.28 120.94,65.28
/5V Buck/VOUT on Bottom: 120.94,92.18 117.69,92.18 117.69,88.43 120.94,88.43
/5V Buck/VOUT on Bottom: 120.94,75.78 107.94,75.78 107.94,88.78 120.94,88.78
/12V Buck Boost/RSENSE on Bottom: 86.21,34.68 112.96,34.68 112.96,39.67 86.21,39.67
/12V Buck Boost/SW1 on Bottom: 108.96,21.42 108.96,34.42 98.96,34.42 98.96,21.42
/12V Buck Boost/SW2 on Bottom: 88.46,21.42 88.46,34.17 98.71,34.17 98.71,21.42
/12V Buck Boost/VOUT on Bottom: 125.61,21.42 125.61,24.67 121.86,24.67 121.86,21.42
/12V Buck Boost/VOUT on Bottom: 109.21,21.42 109.21,34.42 122.21,34.42 122.21,21.42
/19V Boost/Rsense on Bottom: 58,72.13 84.75,72.13 84.75,77.13 58,77.13
/19V Boost/SW1 on Bottom: 80.75,58.88 80.75,71.88 70.75,71.88 70.75,58.88
/19V Boost/SW2 on Bottom: 60.25,58.88 60.25,71.62 70.5,71.62 70.5,58.88
/19V Boost/Vout on Bottom: 97.4,58.88 97.4,62.13 93.65,62.13 93.65,58.88
/19V Boost/Vout on Bottom: 81,58.88 81,71.88 94,71.88 94,58.88

## Text on the board
F.Silkscreen: 12V
User.1: PCB3D_TL_rps01 | PCB3D_BR_rps01
